# Altium PCB CM5_Adapter.PcbDoc (part 1 of 2)
Units mil, origin at the board's own origin, x right, y up, seen from the top; angles counter-clockwise.
Board outline 2180 x 1690 mil, 4 copper layers (Top Layer, Sig1, Sig2, Bottom Layer), stack 50.112 mil thick; 10 components, 253 nets, 1041 pads, 192 vias.
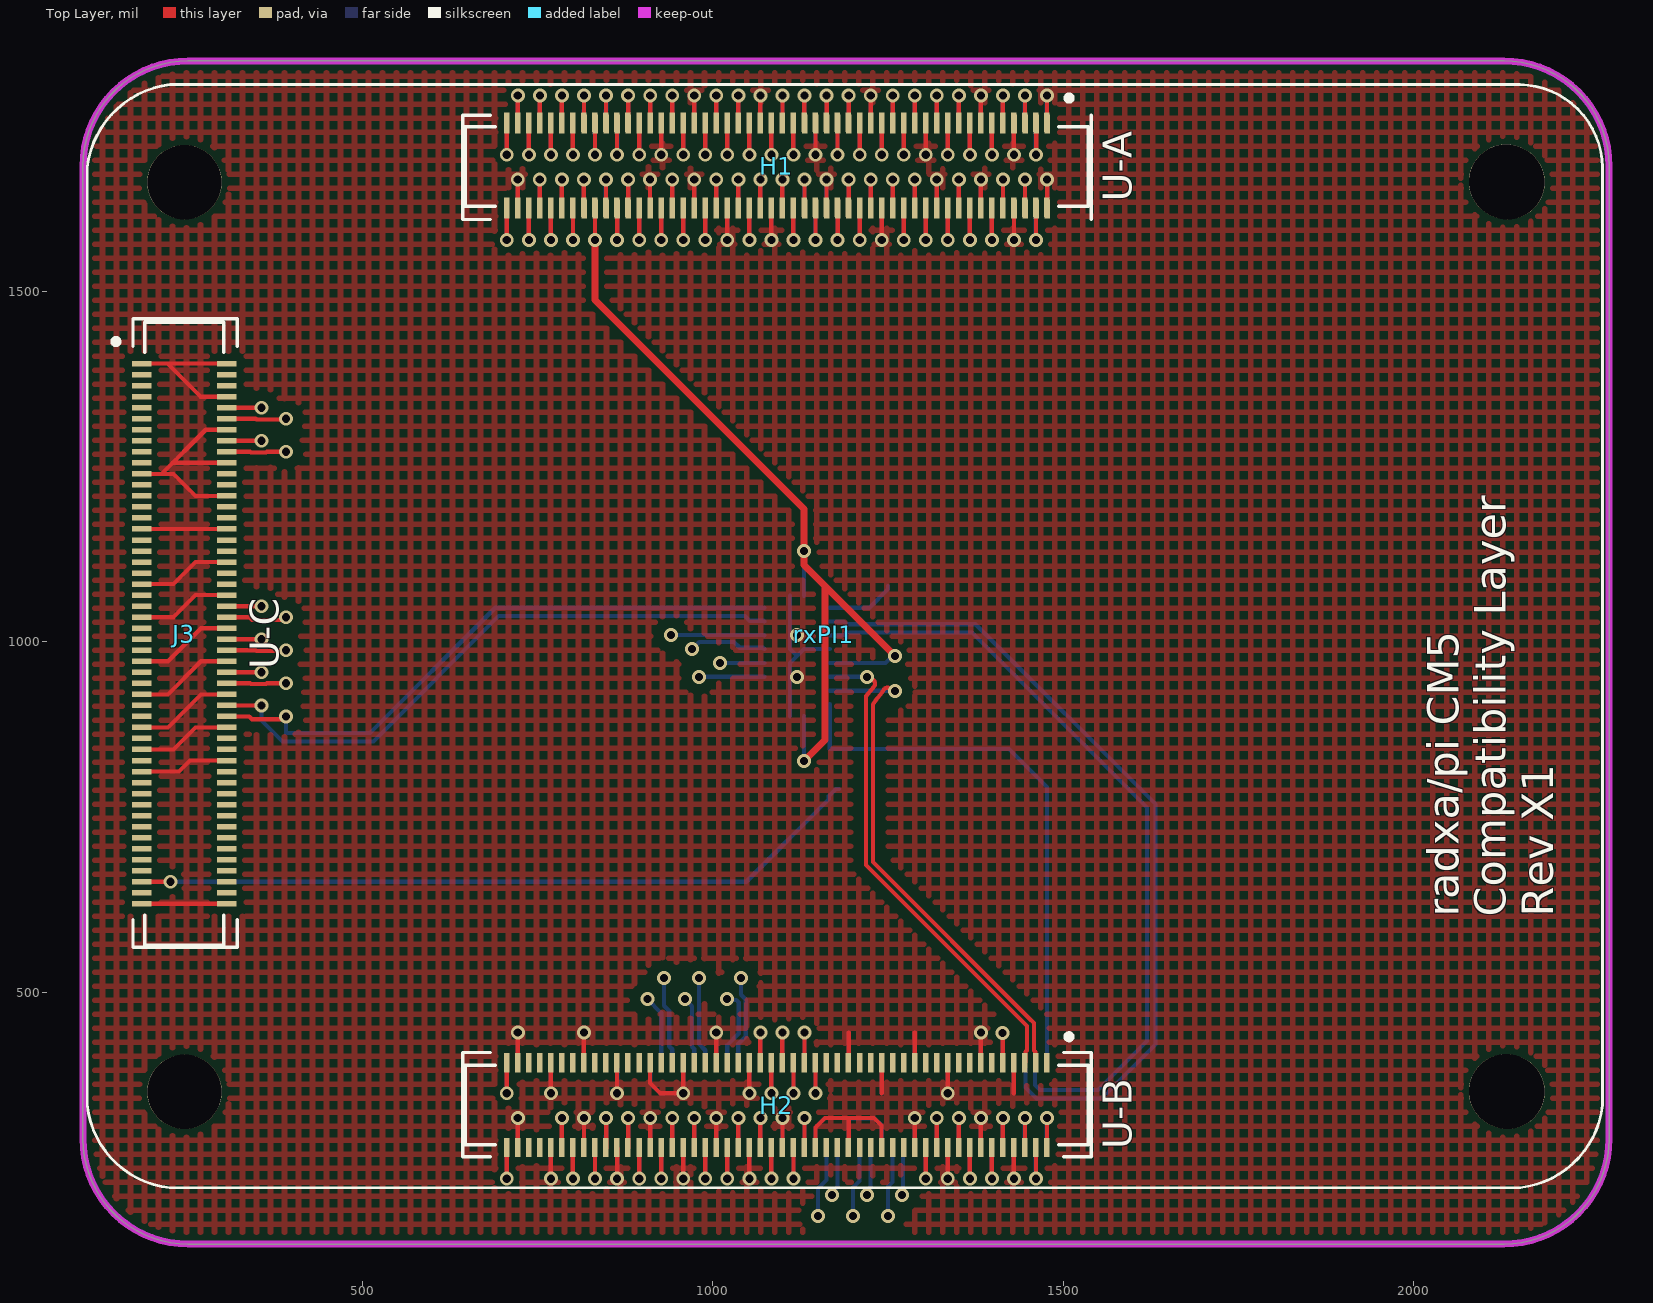
[diagram p0: Top Layer view]
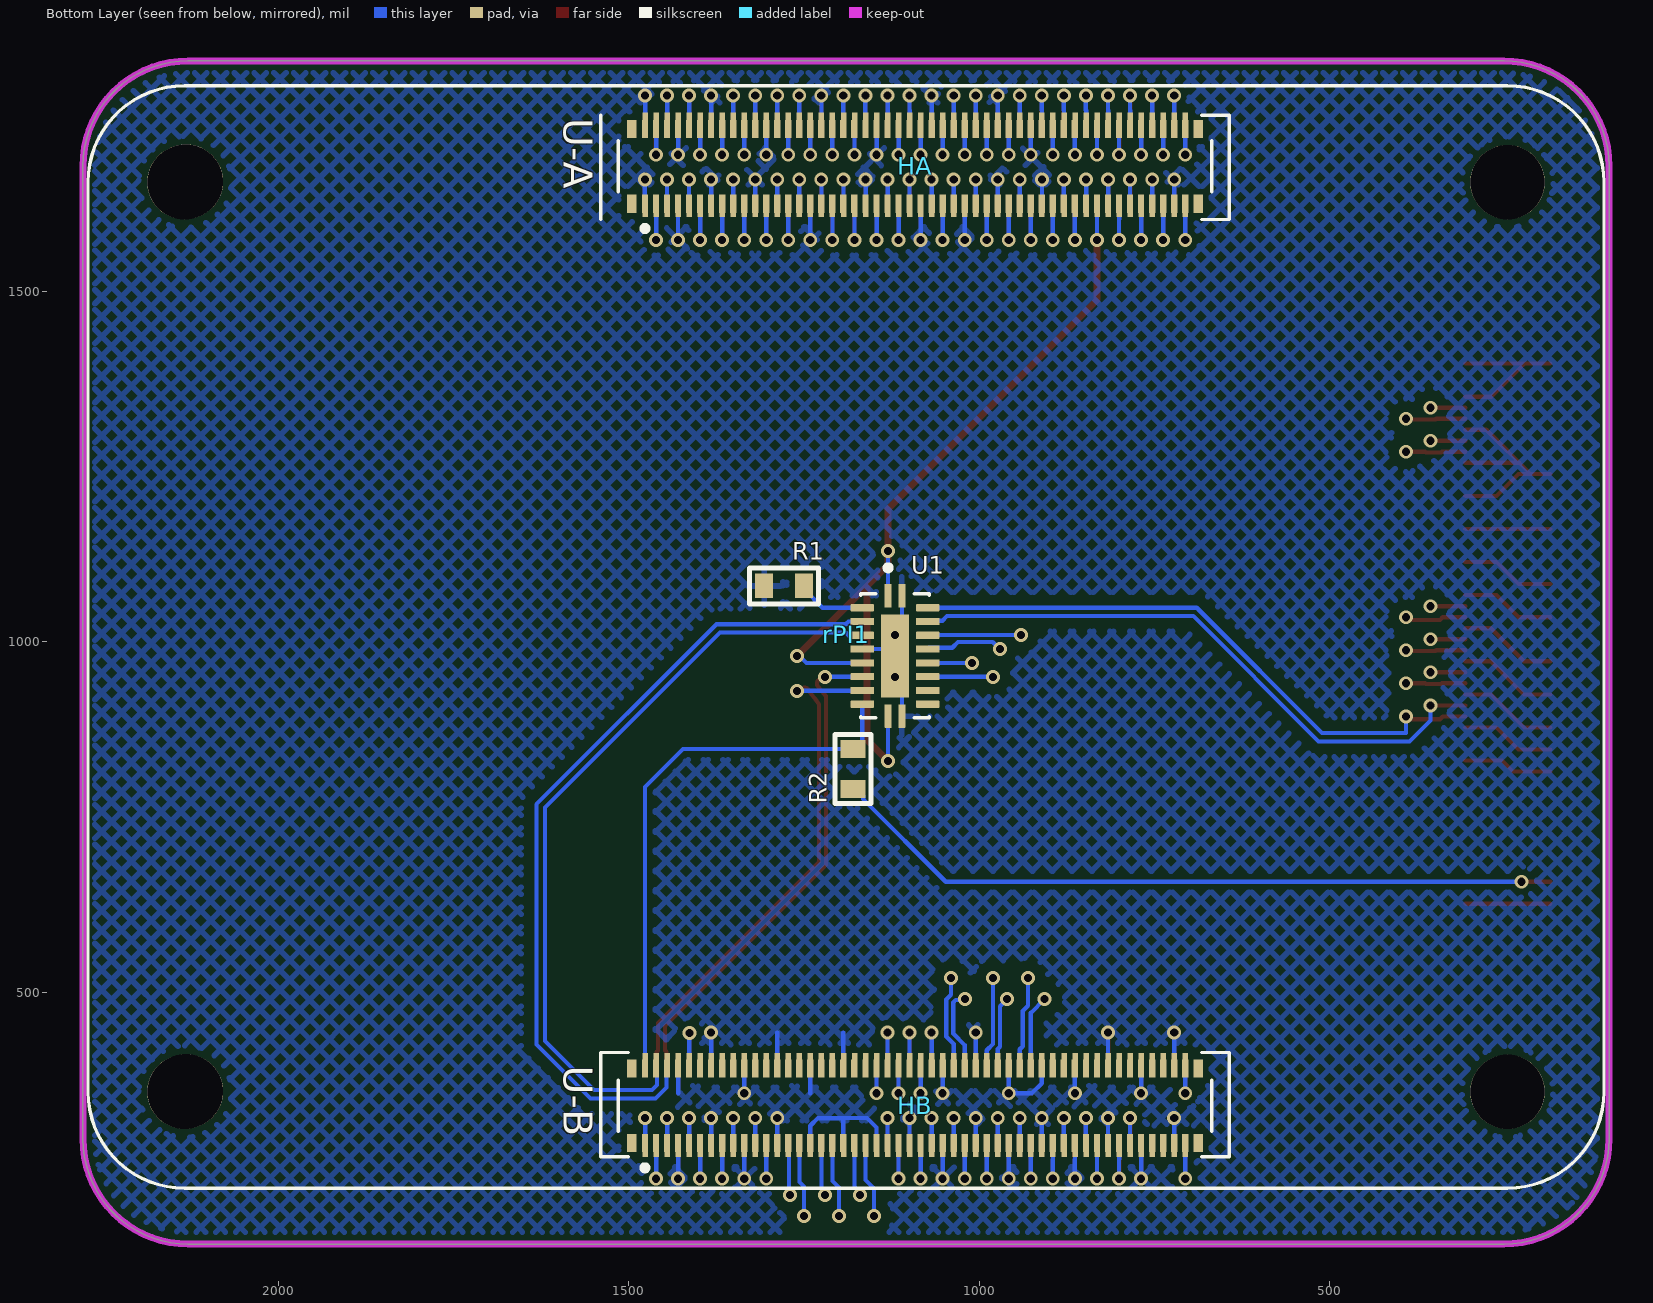
[diagram p1: Bottom Layer view, seen from below]
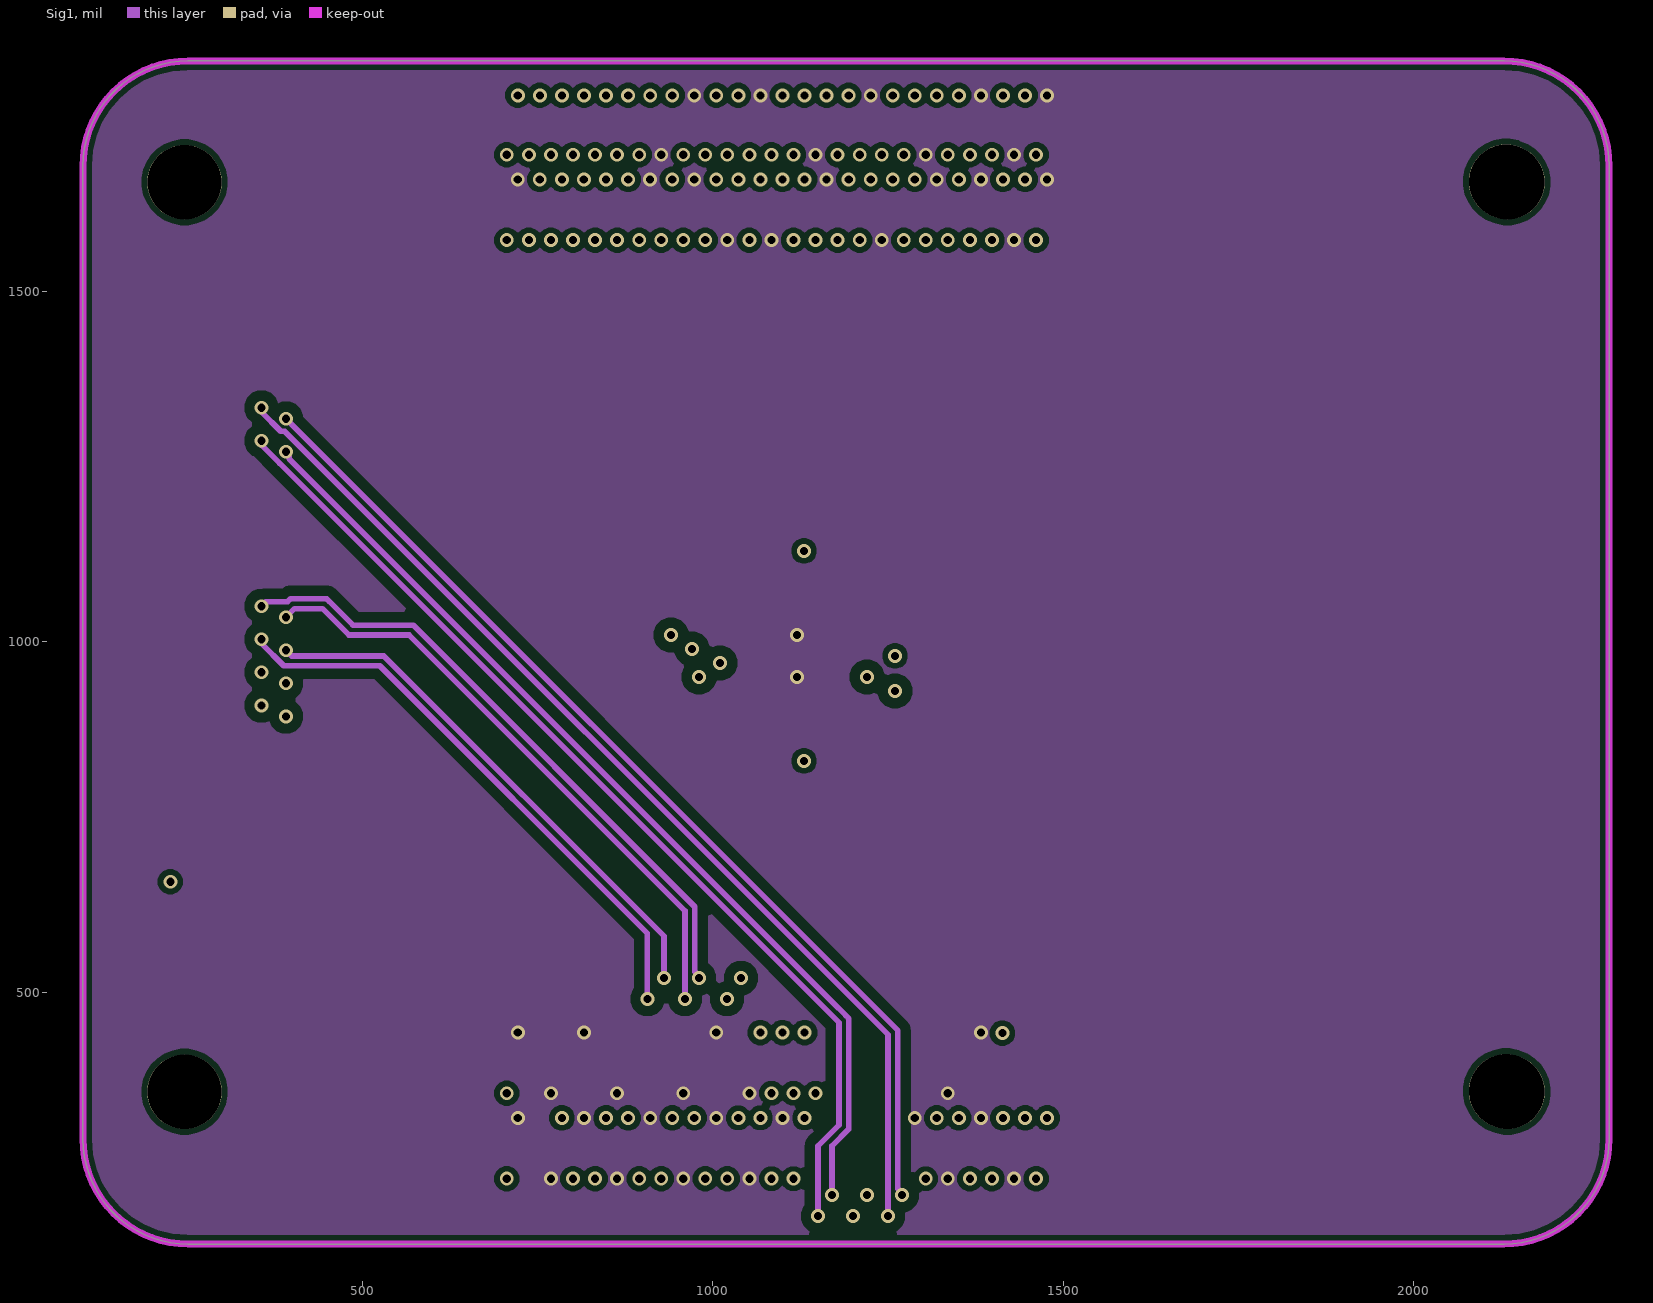
[diagram p2: Sig1]
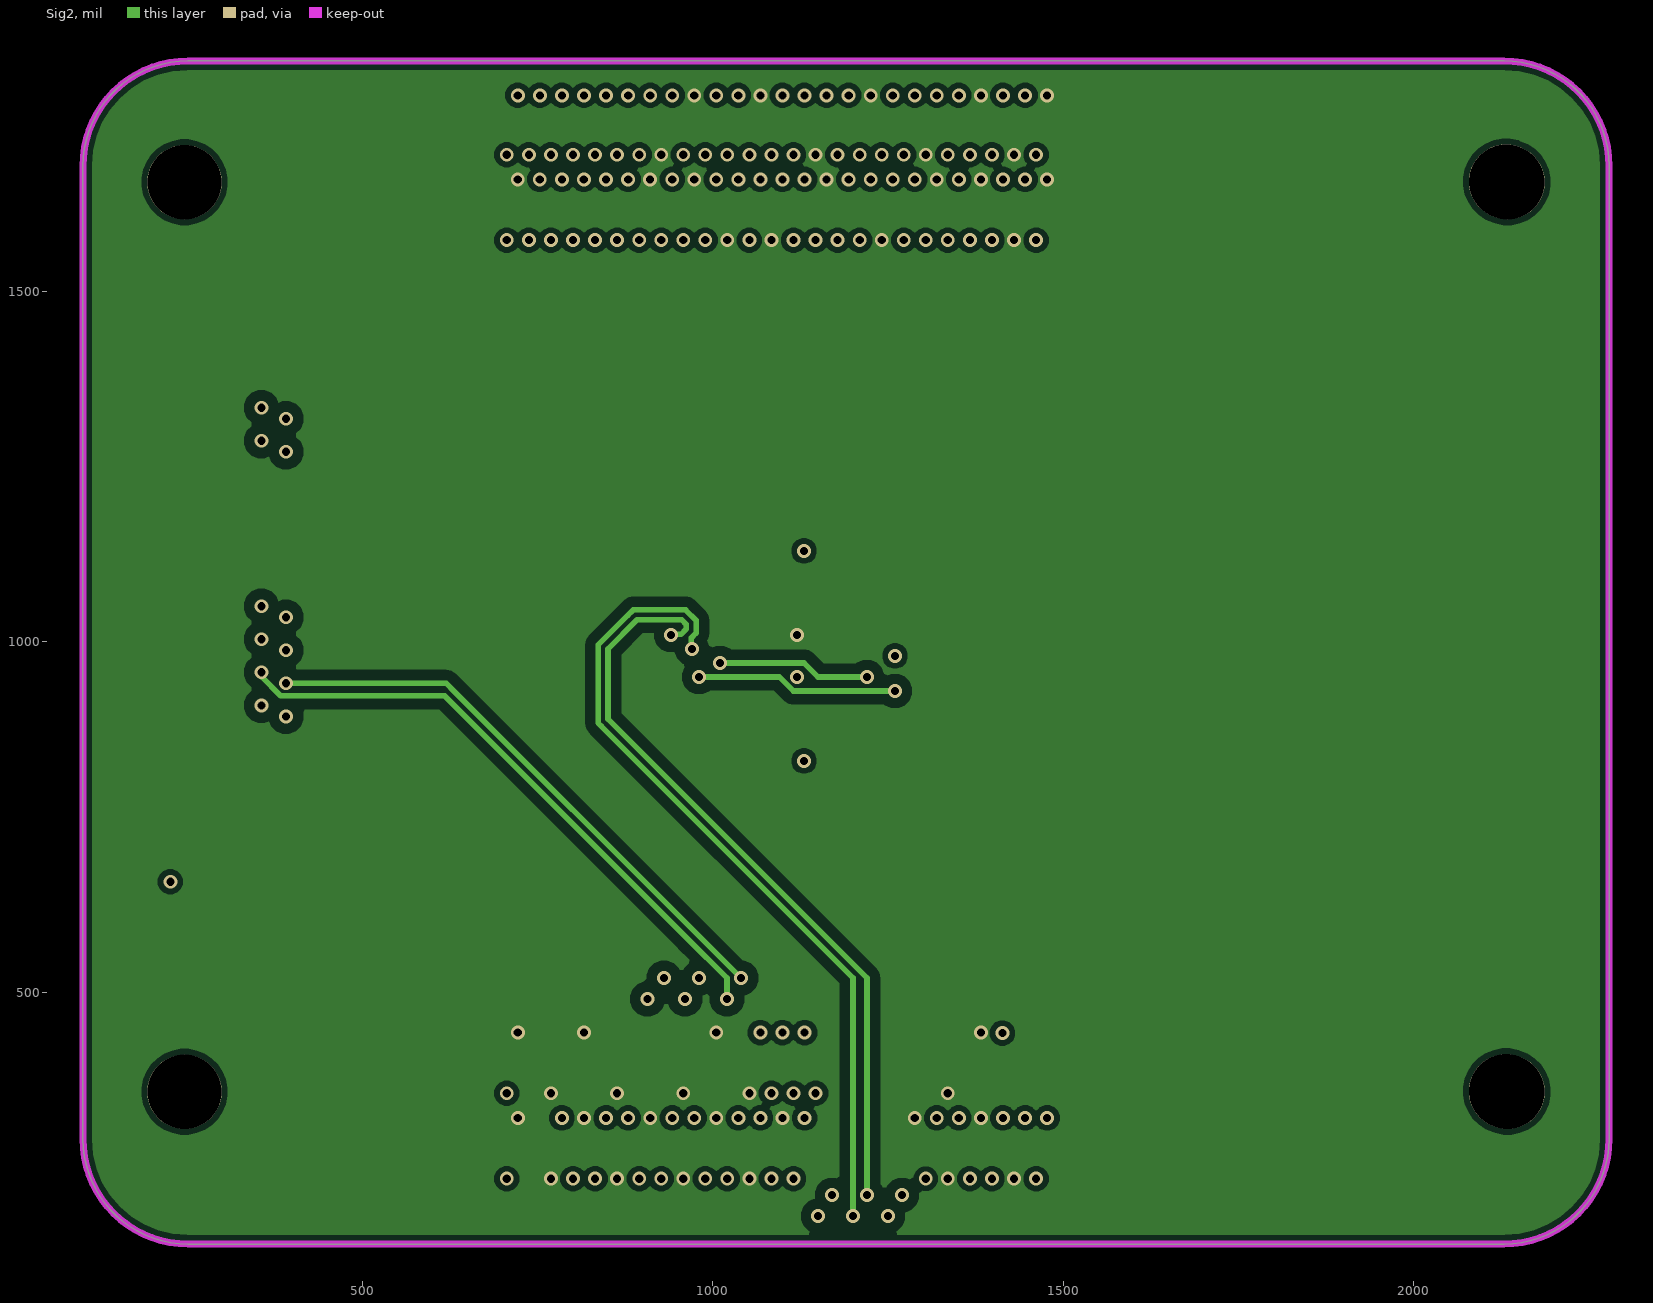
[diagram p3: Sig2]

## Layer stack, top to bottom
Top Solder: solder mask 0.4, Solder Resist, Dk 3.5
Top Layer: signal copper 1.378
Dielectric 1: prepreg 2.8, PP-006, Dk 4.1
Sig1: signal copper 1.378
Dielectric 3: core 39, Core-042, Dk 4.6
Sig2: signal copper 1.378
Dielectric 2: prepreg 2.8, PP-006, Dk 4.1
Bottom Layer: signal copper 1.378
Bottom Solder: solder mask 0.4, Solder Resist, Dk 3.5

## Board outline
100,290 100,1680 cw(c250,1680) 250,1830 2130,1830 cw(c2130,1680) 2280,1680 2280,290 cw(c2130,290) 2130,140 250,140 cw(c250,290)

## Design rules (kind name [scope] priority, off if disabled: settings)
Clearance DiffPairs_Clearance [InDifferentialPairClass('All Differential Pairs')] p1: gap=4 ignorepadtopadclearanceinfootprint=FALSE except(15: Arc-Fill Arc-Poly Arc-Region Track-Fill Track-Poly Track-Region SMDPad-Fill SMDPad-Poly SMDPad-Region THPad-Fill THPad-Poly THPad-Region Via-Fill Via-Poly Via-Region Fill-Fill Fill-Poly Fill-Region Poly-Poly Poly-Region Region-Region)
Clearance [All] p2: gap=8 ignorepadtopadclearanceinfootprint=FALSE except(0: SMDPad-SMDPad Text-Hole; 5: Arc-SMDPad Track-SMDPad THPad-THPad; 5.91: Arc-Arc Arc-Track Track-Track; 7: Arc-Via Track-Via)
ComponentClearance [All] p1: gap=10 collisioncheckmode=3 verticalgap=10 showdistances=FALSE donotcheckwithout3dbody=TRUE
DiffPairsRouting [All] p1: maxlimit=10 minlimit=4 mostfreqgap=6 toplayer_minwidth=4 toplayer_maxwidth=15 toplayer_prefwidth=6 midlayer1_minwidth=4 midlayer1_maxwidth=15 midlayer1_prefwidth=8 midlayer2_minwidth=4 midlayer2_maxwidth=15 midlayer2_prefwidth=8 bottomlayer_minwidth=4 bottomlayer_maxwidth=15 bottomlayer_prefwidth=6 maxuncoupledlength=500
HoleSize [All] p1: absolutevalues=TRUE maxlimit=300 minlimit=1 maxpercent=80.000 minpercent=20.000
MatchedLengths [InDifferentialPairClass('All Differential Pairs')] p1: tolerance=10 checknetsindiffpair=TRUE checkdiffpairvsdiffpair=FALSE checkxsignals=FALSE checkothers=FALSE
MinimumSolderMaskSliver [All] p1: minsoldermaskwidth=5
PlaneClearance [All] p1: clearance=15
PlaneConnect [All] p1: planeconnectstyle=Direct reliefexpansion=20 reliefentries=4 reliefconductorwidth=10 reliefairgap=10
PolygonConnect [All] p1: thpad.connectstyle=Relief thpad.reliefconductorwidth=10 thpad.reliefentries=4 thpad.polygonreliefangle="45 Angle" thpad.airgapwidth=10 smdpad.connectstyle=Relief smdpad.reliefconductorwidth=8 smdpad.reliefentries=4 smdpad.polygonreliefangle="90 Angle" smdpad.airgapwidth=10 via.connectstyle=Direct via.reliefconductorwidth=10 via.reliefentries=4 via.polygonreliefangle="90 Angle" via.airgapwidth=10
RoutingVias [All] p1: holewidth=10 width=19 viastyle="Through Hole" minholewidth=10 minwidth=19 maxholewidth=16 maxwidth=30
ShortCircuit [All] p1: allowed=TRUE
SilkToSilkClearance [All] p1: silktosilkclearance=5
SilkToSolderMaskClearance [IsPad] p1: minsilkscreentomaskgap=1 clearancetoexposedcopper=TRUE
SolderMaskExpansion [All] p1: expansion=4 istentingtop=FALSE
SupplyNets "Schematic Supply Nets_59" [InNet('HDMI1_TX0_N')] p1: voltage=0.000
SupplyNets "Schematic Supply Nets_58" [InNet('USB_OTG_ID')] p2: voltage=0.000
SupplyNets "Schematic Supply Nets_57" [InNet('HDMI1_SDA')] p3: voltage=0.000
SupplyNets "Schematic Supply Nets_56" [InNet('HDMI0_CLK_P')] p4: voltage=0.000
SupplyNets "Schematic Supply Nets_55" [InNet('USB31_TX_P')] p5: voltage=0.000
SupplyNets "Schematic Supply Nets_54" [InNet('USB30_D_N')] p6: voltage=0.000
SupplyNets "Schematic Supply Nets_53" [InNet('USBP_D_P')] p7: voltage=0.000
SupplyNets "Schematic Supply Nets_52" [InNet('USBP_D_N')] p8: voltage=0.000
SupplyNets "Schematic Supply Nets_51" [InNet('HDMI0_HOTPLUG')] p9: voltage=0.000
SupplyNets "Schematic Supply Nets_50" [InNet('HDMI0_TX1_P')] p10: voltage=0.000
SupplyNets "Schematic Supply Nets_49" [InNet('USBC_D_P')] p11: voltage=0.000
SupplyNets "Schematic Supply Nets_48" [InNet('HDMI1_TX1_P')] p12: voltage=0.000
SupplyNets "Schematic Supply Nets_47" [InNet('Res104')] p13: voltage=0.000
SupplyNets "Schematic Supply Nets_46" [InNet('USB30_D_P')] p14: voltage=0.000
SupplyNets "Schematic Supply Nets_45" [InNet('USB2_N')] p15: voltage=0.000
SupplyNets "Schematic Supply Nets_44" [InNet('USB31_RX_P')] p16: voltage=0.000
SupplyNets "Schematic Supply Nets_43" [InNet('USB31_D_N')] p17: voltage=0.000
SupplyNets "Schematic Supply Nets_42" [InNet('Res106')] p18: voltage=0.000
SupplyNets "Schematic Supply Nets_41" [InNet('HDMI0_CEC')] p19: voltage=0.000
SupplyNets "Schematic Supply Nets_40" [InNet('USB30_TX1_N')] p20: voltage=0.000
SupplyNets "Schematic Supply Nets_39" [InNet('HDMI0_SDA')] p21: voltage=0.000
SupplyNets "Schematic Supply Nets_38" [InNet('USB31_TX_N')] p22: voltage=0.000
SupplyNets "Schematic Supply Nets_37" [InNet('HDMI0_TX1_N')] p23: voltage=0.000
SupplyNets "Schematic Supply Nets_36" [InNet('USB30_RX1_N')] p24: voltage=0.000
SupplyNets "Schematic Supply Nets_35" [InNet('HDMI0_SCL')] p25: voltage=0.000
SupplyNets "Schematic Supply Nets_34" [InNet('USBC_D_N')] p26: voltage=0.000
SupplyNets "Schematic Supply Nets_33" [InNet('USB2_P')] p27: voltage=0.000
SupplyNets "Schematic Supply Nets_32" [InNet('HDMI0_TX0_P')] p28: voltage=0.000
SupplyNets "Schematic Supply Nets_31" [InNet('HDMI1_CLK_P')] p29: voltage=0.000
SupplyNets "Schematic Supply Nets_30" [InNet('HDMI1_HOTPLUG')] p30: voltage=0.000
SupplyNets "Schematic Supply Nets_29" [InNet('HDMI1_TX0_P')] p31: voltage=0.000
SupplyNets "Schematic Supply Nets_28" [InNet('CC_INTO_L')] p32: voltage=0.000
SupplyNets "Schematic Supply Nets_27" [InNet('PCIe_CLK_nREQ')] p33: voltage=0.000
SupplyNets "Schematic Supply Nets_26" [InNet('USB31_D_P')] p34: voltage=0.000
SupplyNets "Schematic Supply Nets_25" [InNet('USB30_TX1_P')] p35: voltage=0.000
SupplyNets "Schematic Supply Nets_24" [InNet('VCC_3V3_S3')] p36: voltage=0.000
SupplyNets "Schematic Supply Nets_23" [InNet('HDMI1_TX2_N')] p37: voltage=0.000
SupplyNets "Schematic Supply Nets_22" [InNet('HDMI1_TX1_N')] p38: voltage=0.000
SupplyNets "Schematic Supply Nets_21" [InNet('HDMI1_CEC')] p39: voltage=0.000
SupplyNets "Schematic Supply Nets_20" [InNet('HDMI0_TX2_P')] p40: voltage=0.000
SupplyNets "Schematic Supply Nets_19" [InNet('USB31_RX_N')] p41: voltage=0.000
SupplyNets "Schematic Supply Nets_18" [InNet('HDMI0_TX0_N')] p42: voltage=0.000
SupplyNets "Schematic Supply Nets_17" [InNet('HDMI1_SCL')] p43: voltage=0.000
SupplyNets "Schematic Supply Nets_16" [InNet('PCIe_nRST')] p44: voltage=0.000
SupplyNets "Schematic Supply Nets_15" [InNet('HDMI1_TX2_P')] p45: voltage=0.000
SupplyNets "Schematic Supply Nets_14" [InNet('HDMI1_CLK_N')] p46: voltage=0.000
SupplyNets "Schematic Supply Nets_13" [InNet('HDMI0_TX2_N')] p47: voltage=0.000
SupplyNets "Schematic Supply Nets_12" [InNet('HDMI0_CLK_N')] p48: voltage=0.000
SupplyNets "Schematic Supply Nets_11" [InNet('USB30_RX1_P')] p49: voltage=0.000
SupplyNets "Schematic Supply Nets_8" [InNet('PCIe_TX_N')] p50: voltage=0.000
SupplyNets "Schematic Supply Nets_6" [InNet('PCIe_RX_P')] p51: voltage=0.000
SupplyNets "Schematic Supply Nets_5" [InNet('GND')] p52: voltage=0.000
SupplyNets "Schematic Supply Nets_3" [InNet('PCIe_CLK_P')] p53: voltage=0.000
SupplyNets "Schematic Supply Nets_2" [InNet('PCIe_RX_N')] p54: voltage=0.000
SupplyNets "Schematic Supply Nets_1" [InNet('PCIe_CLK_N')] p55: voltage=0.000
SupplyNets "Schematic Supply Nets" [InNet('PCIe_TX_P')] p56: voltage=0.000
Width [All] p1: maxlimit=300 minlimit=4 preferedwidth=8 toplayer_prefwidth=6 bottomlayer_prefwidth=6 minimp=50.000000 maximp=50.000000 favimp=50.000000
21 further rules are at their usual default settings.

## Classes and differential pairs
differential pair USBP_D: +USBP_D_P -USBP_D_N
differential pair USBC_D: +USBC_D_P -USBC_D_N
differential pair USB31_TX: +USB31_TX_P -USB31_TX_N
differential pair USB31_RX: +USB31_RX_P -USB31_RX_N
differential pair USB31_D: +USB31_D_P -USB31_D_N
differential pair USB30_TX1: +USB30_TX1_P -USB30_TX1_N
differential pair USB30_RX1: +USB30_RX1_P -USB30_RX1_N
differential pair USB30_D: +USB30_D_P -USB30_D_N
differential pair USB2: +USB2_P -USB2_N

## Components (designator, comment, footprint, x,y, rotation, side; value= is the part's Value field where it differs from the comment)
H1 "100P RCPT" DF40C-100DS-0.4V(51) 1091.38,1679.18 r0 top locked
H2 "100P MEZZ" DF40C-100DS-0.4V(51) 1091.19,338.46 r0 top locked
HA "100P MEZZ" DF40C-100DP-0.4V(51) 1091.38,1679.18 r180 bottom locked
HB "100P RCPT" DF40C-100DP-0.4V(51) 1091.38,337.53 r180 bottom locked
J3 "100P RCPT" DF40C-100DS-0.4V(51) 244.76,1011.78 r90 top locked
R1 "Generic Resistor" 0603 1250,1080 r0 bottom value=0
R2 "Generic Resistor" 0603 1180,847 r270 bottom value=0
rPI1 "CM5 Landing pads" "rP-200P-CM-REP (top)" 1190,1010 r270 bottom locked
rxPI1 "RxCM5 Landing pads" RX-300P-CM-FTPD 1158.52,1010 r90 top locked
U1 "USB3 Mux" QFN50P450X250X100-21N 1120,980 r180 bottom
